# KiCad board Nova CPU Tester LED BUffers.kicad_pcb (continued)
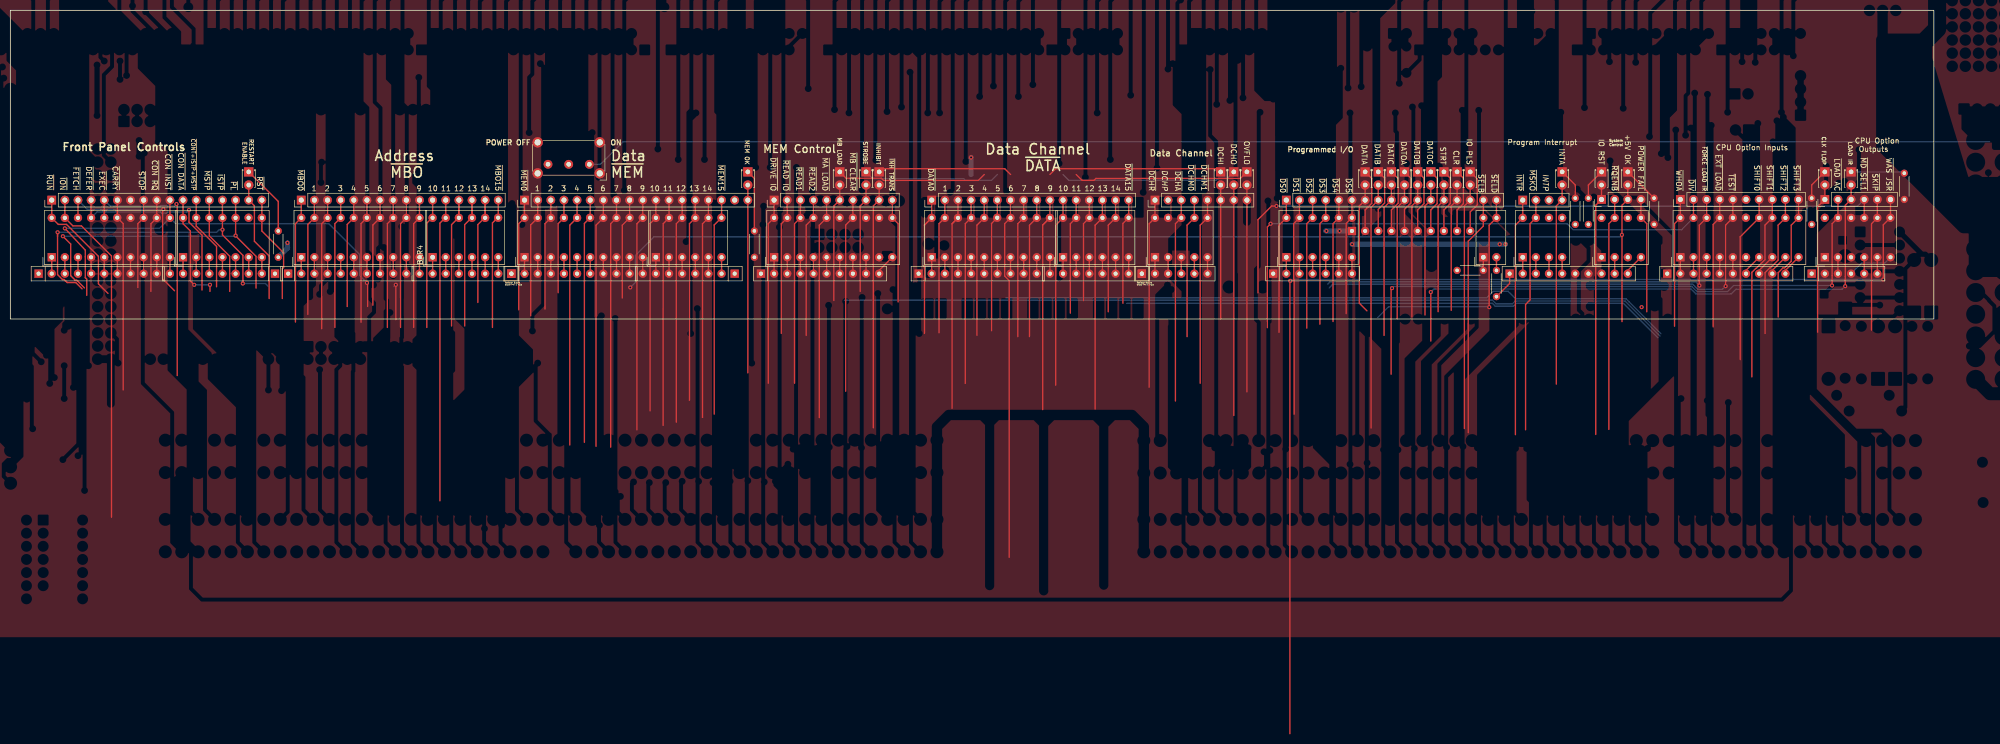
[diagram p0: board, top side]
## Nets (continued)
Net-(RN15-R7): BAR15.8 RN15.8
Net-(RN15-R8): BAR15.9 RN15.9
Net-(RN15-R9): BAR15.10 RN15.10
Net-(RN16-R2): BAR16.2 RN16.3
Net-(RN16-R3): BAR16.6 RN16.4
Net-(RN16-R4): BAR16.4 RN16.5
Net-(RN16-R5): BAR16.5 RN16.6

Pads without a net: BAR1 14; BAR2 15; BAR7 9 12 13 15; BAR11 19; BAR13 17 18; BAR14 1 3 18 20; BAR15 6 15; BAR16 1 3 18 20; J7 17; J9 7; J11 6; J12 2; J13 3; RN13 6 7 8; RN16 2

## Via types
v1: diameter 0.8, hole 0.4, Top to Bottom, 34 vias

## Routing (per net, layer and track width the routed paths; a pad name or vN(x,y) marks a point on that pad's centre or on a via; arc(x,y) is an arc through that point)
+5V: length 5.5
  Top w0.25: R9.1 289.94,6.86 RN13.1
  vias: v1(315.47,2.29)
+5V OK: length 225.9
  Top w0.25: 311.68,-0.51 311.68,16.24 v1(311.66,16.26) 311.68,16.27 311.68,21.99 312.8,23.11 D24.2
  Bottom w0.25: v1(311.66,16.26) 311.3,15.89 124.48,15.89 120.89,12.3 120.89,7.09 v1(119.89,6.1)
GND: length 41.7
  Bottom w0.25: 185.81,31.36 185.81,31.25 v1(185.8,31.24) 185.81,31.24
  Bottom w1: R7.1 53.59,13.72 v1(53.59,14.73) ; RN14.1 v1(257.05,17.02) v1(254.51,17.02) 254.38,17.02 ; 185.81,27.94 185.81,31.24 ; v1(289.13,14.45) v1(288.03,14.45) v1(259.48,14.45)
CLK FLOP: length 135
  Top w0.25: D28.2 J17.1 349.5,21.72 349.5,-2.54
  Bottom w0.25: 215.86,3.01 286.62,3.01 287.16,2.47 290.67,2.47 291.21,3.01 311.96,3.01 318.64,-3.67
CLR: length 24.7
  Top w0.25: 278.66,1.67 278.66,21.86 J10.14 D20.2
DATIA: length 25.4
  Top w0.25: D12.2 J10.7 260.88,21.86 260.88,3.05 262.35,1.58
DATIB: length 47.6
  Top w0.25: D16.2 J10.8 263.14,21.59 263.14,-21.08
DATIC: length 29.7
  Top w0.25: 265.67,-3.17 265.67,21.57 J10.9 D17.2
DATOA: length 26.5
  Top w0.25: D21.2 J10.10 268.21,21.57 268.21,0.02
DATOB: length 26
  Top w0.25: 271.04,0.4 271.04,21.86 J10.11 D22.2
DATOC: length 25.6
  Top w0.25: D18.2 J10.12 273.58,21.86 273.58,0.78
DCHI: length 25.9
  Top w0.25: D13.2 J12.6 234.06,0
DCHO: length 44.6
  Top w0.25: 236.6,-18.67 J12.7 D14.2
INHIBIT: length 47.4
  Top w0.25: D11.2 J18.9 166.9,21.86 166.9,-21.06
INTA: length 39
  Top w0.25: D25.2 J13.4 298.98,21.86 298.98,-12.59
IO PLS: length 47.6
  Top w0.25: 281.2,-21.19 281.2,21.86 J10.15 D23.2
IO RST: length 48.7
  Top w0.25: 306.6,-22.33 306.6,21.99 J14.1 D26.2
LOAD IR: length 110.9
  Top w0.25: D27.2 J17.3 354.86,21.99 354.86,6.37 v1(354.84,6.35) ; 274.7,-4.26 v1(274.7,5.21)
  Bottom w0.25: v1(354.84,6.35) 354.24,5.75 333.73,5.75 332.83,4.85 325.97,4.85 325.03,5.79 275.29,5.79 v1(274.7,5.21)
MB LOAD: length 22.8
  Top w0.25: D9.2 J18.6 159.25,21.84 159.25,3.56
MEM OK: length 36.3
  Top w0.25: D8.2 J7.18 142.62,-10.41
OVFLO: length 40
  Top w0.25: D15.2 J12.8 239.14,-14.1
Power SW: length 272.6
  Bottom w0.25: 382.78,34.29 118.49,34.29 114.11,29.91 SW2.1
RESTART ENABLE: length 23.6
  Top w0.25: D7.2 J9.16 47.2,21.89 47.2,15.03 50.06,12.17 50.06,3.95
STROBE: length 21
  Top w0.25: 164.36,5.33 164.36,21.86 J18.8 D10.2
STRT: length 25
  Top w0.25: 276.12,1.42 276.12,21.86 J10.13 D19.2
~{CARRY}: length 37.2
  Top w0.25: J9.6 20.7,19.6 BAR1.15 21.83,18.43 21.83,-13.72
~{CON DATA}: length 21.6
  Top w0.25: 38.61,5.33 v1(38.61,6.6) ; 33.4,22.99 BAR2.20 33.4,18.43 34.82,17.01 34.82,7.35 v1(35.56,6.6)
  Bottom w0.25: v1(38.61,6.6) v1(35.56,6.6)
~{CON INST}: length 89.5
  Top w0.25: 14.77,4.57 14.77,7.71 14.5,7.98 14.5,13.32 v1(10.54,17.53) ; 69.09,2.41 69.09,6.86 v1(68.96,6.98) ; J9.10 BAR1.11
  Bottom w0.25: v1(10.54,17.53) 28.83,17.53 BAR1.11 31.99,18.43 61.58,18.43 67.55,12.46 67.55,8.4 v1(68.96,6.98)
~{CON RQ}: length 18.1
  Top w0.25: 27.18,5.33 27.2,7.62 27.2,18.43 BAR1.12 J9.9
~{CONT+ISTP+MSTP}: length 18.4
  Top w0.25: J9.12 BAR2.19 35.94,17.97 39.88,14.04 39.88,6.22
~{DATA0}: length 28.4
  Top w0.25: BAR8.20 176.78,18.16 176.78,-2.79 ; BAR8.20 J8.1 ; BAR8.20 176.77,18.14
~{DATA1}: length 26.1
  Top w0.25: 179.6,-2.67 179.6,18.43 180.72,19.56 180.72,22.99
~{DATA2}: length 42.3
  Top w0.25: BAR8.18 182.14,18.43 ; BAR8.18 J8.3 ; BAR8.18 182.12,18.42 182.12,-17.27
~{DATA3}: length 35.9
  Top w0.25: 184.68,-12.46 184.68,18.43 BAR8.17 J8.4
~{DATA4}: length 26.7
  Top w0.25: 186.93,-3.16 186.93,18.14 BAR8.16 J8.5
~{DATA5}: length 25.7
  Top w0.25: 189.76,-2.27 189.76,18.48 BAR8.15 190.88,19.6 190.88,22.99
~{DATA6}: length 69.9
  Top w0.25: 193.17,-46.1 193.17,7.43 192.3,8.3 192.3,18.43 BAR8.14 J8.7
~{DATA7}: length 26.9
  Top w0.25: 194.84,-3.41 194.84,18.43 BAR8.13 J8.8
~{DATA8}: length 27
  Top w0.25: 198.5,22.99 198.5,19.56 197.09,18.14 197.09,-3.41
~{DATA9}: length 43.1
  Top w0.25: 201.04,22.99 201.04,19.56 ; 201.04,19.56 199.64,18.16 199.64,-17.53 ; 201.04,19.56 199.63,18.14
~{DATA10}: length 36.4
  Top w0.25: J8.11 BAR9.20 202.17,18.14 202.17,-12.81
~{DATA11}: length 22.3
  Top w0.25: J8.12 BAR9.19 205,18.43 205,1.14
~{DATA12}: length 19.9
  Top w0.25: 208.66,22.99 BAR9.18 207.54,18.43 207.54,3.56
~{DATA13}: length 41
  Top w0.25: J8.14 BAR9.17 209.79,18.14 209.79,-17.4
~{DATA14}: length 22.2
  Top w0.25: 212.33,1.4 212.33,18.14 BAR9.16 J8.15
~{DATA15}: length 20.4
  Top w0.25: J8.16 216.28,19.6 BAR9.15 215.16,18.48 215.16,3.05
~{DCHA}: length 39.3
  Top w0.25: J12.3 BAR11.18 225.32,18.43 225.32,-15.86
~{DCHM0}: length 27
  Top w0.25: J12.4 BAR11.17 227.57,18.14 227.57,-3.41
~{DCHM1}: length 36
  Top w0.25: J12.5 BAR11.16 230.11,18.14 230.11,-12.43
~{DCHR}: length 36.6
  Top w0.25: 220.24,-13.19 220.24,18.43 BAR11.20 J12.1
~{DEFER}: length 39.7
  Top w0.25: 15.62,22.99 15.62,19.56 ; 37.07,5.61 37.07,16.21 34.54,18.73 v1(34.54,21.08)
  Bottom w0.25: 15.62,19.56 16.77,20.7 29.07,20.7 29.29,20.48 30.2,20.48 30.4,20.68 34.15,20.68 v1(34.54,21.08)
~{DIV}: length 107.1
  Top w0.25: J11.2 BAR15.19 ; v1(243.71,18.42) 243.1,17.8 243.1,-1.68
  Bottom w0.25: BAR15.19 323.21,17.26 302.22,17.26 301.06,18.42 v1(243.71,18.42)
~{DRIVE IO}: length 35.9
  Top w0.25: 146.58,-12.43 146.58,18.43 BAR7.20 J18.1
~{DS0}: length 26.2
  Top w0.25: J10.1 BAR10.20 245.35,18.14 245.35,-2.6
~{DS1}: length 41.9
  Top w0.25: J10.2 BAR10.19 248.18,18.43 248.18,7.74 248.28,7.63 248.28,-18.42
~{DS2}: length 25.2
  Top w0.25: J10.3 BAR10.18 250.72,18.43 250.72,-1.76
~{DS3}: length 24.5
  Top w0.25: 253.26,-1 253.26,18.43 BAR10.17 J10.4
~{DS4}: length 23.9
  Top w0.25: J10.5 BAR10.16 255.8,18.43 255.8,-0.49
~{DS5}: length 22.4
  Top w0.25: 258.34,1.02 258.34,18.48 BAR10.15 259.46,19.6 J10.6
~{EXEC}: length 51.4
  Top w0.25: v1(32.13,22.22) 32.28,22.08 32.28,-10.94 ; 18.16,22.99 18.16,19.56
  Bottom w0.25: 18.16,22.99 19.34,21.81 29.05,21.81 29.17,21.93 30.25,21.93 30.37,21.81 31.72,21.81 v1(32.13,22.22)
~{EXT LOAD}: length 25.2
  Top w0.25: J11.4 BAR15.17 329.31,18.29 329.31,-1.52
~{FETCH}: length 37.4
  Top w0.25: 31.75,5.46 29.45,7.77 29.45,21.06 v1(29.59,21.21) ; 13.08,22.99 13.08,19.56
  Bottom w0.25: v1(29.59,21.21) 14.86,21.21 13.08,22.99
~{FORCE LOAD IR}: length 89.6
  Top w0.25: v1(326.64,6.48) 326.63,6.5 326.63,18.14 BAR15.18 J11.3
  Bottom w0.25: v1(326.64,6.48) 325.93,7.19 255.22,7.19 254.76,6.73
~{INH TRANS}: length 20.2
  Top w0.25: 171.69,3.3 171.69,18.43 BAR7.11 J18.10
~{INTR}: length 45.9
  Top w0.25: 291.07,-22.37 291.07,18.14 BAR13.20 J13.1
~{ION}: length 66
  Top w0.25: 19.56,-38.35 19.56,12.19 13.75,18 12.1,18 BAR1.19 J9.2
~{ISTP}: length 76.8
  Top w0.25: 9.13,16 9.13,16.4 ; 9.13,16 9.13,8.59 10.08,7.64 10.4,7.64 10.99,7.04 12.65,7.04 13.87,5.82 ; 9.13,16 v1(9.14,16.76) 9.13,16.75 ; J9.14 BAR2.17 v1(41.02,17.27) 41.02,16.26 44.98,12.3 44.98,6.88 v1(44.96,6.86) 44.98,6.84 ; 74.55,-0.13 v1(74.55,6.6)
  Bottom w0.25: 74.21,6.26 v1(74.55,6.6) ; v1(44.96,6.86) 49.31,6.86 49.91,6.26 ; v1(9.14,16.76) 39.88,16.76 40.39,17.27 v1(41.02,17.27)
~{LOAD AC}: length 119.9
  Top w0.25: 267.03,-10.67 267.03,5.79 v1(267.21,5.97) ; J17.2 BAR16.19 352.32,18.43 352.32,6.5 v1(352.3,6.48)
  Bottom w0.25: v1(267.21,5.97) 267.53,6.29 325.17,6.29 326.16,5.3 332.08,5.3 333.25,6.48 v1(352.3,6.48)
~{MA LOAD}: length 42.6
  Top w0.25: 156.45,-19.07 156.45,18.14 BAR7.16 J18.5
~{MB CLEAR}: length 37.5
  Top w0.25: 161.54,-13.97 161.54,18.16 BAR7.14 J18.7
~{MBO0}: length 24
  Top w0.25: 55.14,-0.59 55.14,18.43 BAR3.20 J6.1
~{MBO1}: length 22.6
  Top w0.25: J6.2 BAR3.19 57.53,18.29 57.53,0.89
~{MBO2}: length 25.3
  Top w0.25: 60.22,-1.89 60.22,18.43 BAR3.18 J6.3
~{MBO3}: length 25.1
  Top w0.25: 62.76,-1.64 62.76,18.43 BAR3.17 J6.4
~{MBO4}: length 21.1
  Top w0.25: J6.5 BAR3.16 65.15,18.29 65.15,2.41
~{MBO5}: length 24.1
  Top w0.25: J6.6 68.96,19.6 ; 67.82,-0.64 67.82,18.46 BAR3.15
~{MBO6}: length 20.9
  Top w0.25: J6.7 BAR3.14 70.1,18.16 70.1,2.67
~{MBO7}: length 25.1
  Top w0.25: J6.8 BAR3.13 72.92,18.43 72.92,-1.64
~{MBO8}: length 25.1
  Top w0.25: 75.46,-1.64 75.46,18.43 BAR3.12 J6.9
~{MBO9}: length 25.1
  Top w0.25: J6.10 BAR3.11 78,18.43 78,-1.64
~{MBO10}: length 25.1
  Top w0.25: J6.11 81.66,19.67 80.54,18.54 80.54,-1.64
~{MBO11}: length 58.6
  Top w0.25: 83.08,-35.16 83.08,18.54 84.2,19.67 J6.12
~{MBO12}: length 28.4
  Top w0.25: BAR4.18 J6.13 86.74,19.67 85.33,18.25 85.33,-1.35
~{MBO13}: length 28.4
  Top w0.25: 89.28,19.56 J6.14 89.28,19.67 87.87,18.25 87.87,-1.35
~{MBO14}: length 23.8
  Top w0.25: 90.41,3.2 90.41,18.25 91.82,19.67 J6.15 BAR4.16
~{MBO15}: length 26.1
  Top w0.25: 93.65,19 93.24,18.58 93.24,-1.64 ; 93.65,19 94.34,19.69 ; 93.65,19 94.23,19.58 BAR4.15 94.36,19.6 J6.16
~{MD SEL1}: length 136.6
  Top w0.25: v1(244.86,21.84) 243.92,21.84 241.28,19.2 241.28,5.05 ; J17.4 BAR16.17
  Bottom w0.25: J17.4 357.22,21.81 244.89,21.81 v1(244.86,21.84) 244.82,21.81
~{MEM0}: length 21.7
  Top w0.25: J7.1 BAR5.20 98.32,18.43 98.32,1.78
~{MEM1}: length 22.9
  Top w0.25: J7.2 BAR5.19 100.63,18.21 100.63,0.61
~{MEM2}: length 21.5
  Top w0.25: J7.3 BAR5.18 103.4,18.43 103.4,1.91
~{MEM3}: length 18.4
  Top w0.25: J7.4 BAR5.17 105.94,18.43 105.94,5.08
~{MEM4}: length 47.9
  Top w0.25: J7.5 BAR5.16 108.19,18.14 108.19,-24.37
~{MEM5}: length 47.3
  Top w0.25: J7.6 112.14,19.6 BAR5.15 111.02,18.48 111.02,-23.86
~{MEM6}: length 48.2
  Top w0.25: J7.7 BAR5.14 113.27,18.14 113.27,-24.62
~{MEM7}: length 48.2
  Top w0.25: 116.1,-24.78 116.1,18.43 BAR5.13 J7.8
~{MEM8}: length 19.5
  Top w0.25: J7.9 BAR5.12 118.35,18.14 118.35,4.06
~{MEM9}: length 44.9
  Top w0.25: 121.18,-21.45 121.18,18.43 BAR5.11 J7.10
~{MEM10}: length 41.2
  Top w0.25: J7.11 BAR6.20 123.72,18.43 123.72,-17.76
~{MEM11}: length 44
  Top w0.25: 126.24,-20.57 126.26,18.43 127.38,19.56 J7.12
~{MEM12}: length 43.4
  Top w0.25: J7.13 BAR6.18 128.8,18.43 128.8,-19.96
~{MEM13}: length 39.2
  Top w0.25: 131.34,-15.73 131.34,18.43 BAR6.17 J7.14
~{MEM14}: length 42.5
  Top w0.25: J7.15 135,19.56 133.86,18.42 133.86,-19.05
~{MEM15}: length 42
  Top w0.25: J7.16 137.54,19.6 BAR6.15 136.13,18.19 136.13,-18.4
~{MSKO}: length 45.2
  Top w0.25: 293.03,-21.43 293.03,2.81 293.9,3.68 293.9,18.43 BAR13.19 J13.2
~{MSTP}: length 19.3
  Top w0.25: J9.13 BAR2.18 38.48,16.07 42.42,12.13 42.42,5.33
~{PL}: length 64
  Top w0.25: v1(10.16,16) 11.67,14.5 11.67,8.38 12.55,7.49 12.84,7.49 14.32,6.01 ; J9.15 BAR2.16 v1(43.56,16.13) 43.56,16.07 47.52,12.11 47.52,5.99
  Bottom w0.25: v1(43.56,16.13) 43.43,16 v1(10.16,16)
~{POWER FAIL}: length 22.2
  Top w0.25: J14.4 BAR14.17 316.47,18.43 316.47,1.4
~{READ1}: length 35.9
  Top w0.25: 151.66,-12.43 151.66,18.43 BAR7.18 J18.3
~{READ2}: length 26.8
  Top w0.25: J18.4 BAR7.17 153.91,18.14 153.91,-3.19
~{READ IO}: length 26.3
  Top w0.25: J18.2 BAR7.19 149.1,18.42 149.1,-2.79
~{RQENB}: length 44.9
  Top w0.25: J14.2 BAR14.19 309.14,18.43 309.14,-21.35
~{RST}: length 20.9
  Top w0.25: 52.6,3.95 52.6,9.71 52.84,9.95 52.84,12.82 48.64,17.02 BAR2.14 J9.17
~{RUN}: length 23.5
  Top w0.25: 18.88,4.95 17.04,6.8 17.04,12.11 10.86,18.29 9.27,18.29 BAR1.20 J9.1
~{SELB}: length 46.2
  Top w0.25: 281.94,-21.97 281.94,15.05 284.86,17.97 BAR12.20 J10.16
~{SELD}: length 43.6
  Top w0.25: 285.99,2.3 285.99,18.14 BAR12.19 J10.17
  Bottom w0.25: 285.88,2.29 285.79,2.38 266.54,2.38 264.41,0.25
  vias: v1(286,2.29)
~{SHIFT0}: length 32.5
  Top w0.25: 334.54,-7.86 334.54,15.89 BAR15.14 J11.7
~{SHIFT1}: length 36
  Top w0.25: 336.79,-11.19 336.79,9.02 337.55,9.78 337.63,9.78 339.33,11.47 339.33,18.14 BAR15.13 J11.8
~{SHIFT2}: length 27.6
  Top w0.25: 339.34,-2.79 339.34,8.96 340.28,9.89 340.36,9.89 341.87,11.39 341.87,18.14 BAR15.12 J11.9
~{SHIFT3}: length 24.6
  Top w0.25: 341.88,0.38 341.88,8.96 342.82,9.89 343.13,9.89 344.41,11.16 344.41,18.14 BAR15.11 J11.10
~{SKIP}: length 186.8
  Top w0.25: 359.94,-2.16 359.94,18.43 BAR16.16 J17.5
  Bottom w0.25: 161.29,3.64 286.63,3.64 287.35,2.92 290.48,2.92 291.02,3.46 312.26,3.46 319.01,-3.29
~{STOP}: length 17.4
  Top w0.25: J9.8 BAR1.13 24.66,18.43 24.66,6.08
~{TEST}: length 95
  Top w0.25: J11.5 BAR15.16 331.71,18.14 331.71,6.37 v1(331.72,6.35)
  Bottom w0.25: v1(331.72,6.35) 331.13,5.75 326.34,5.75 325.36,6.74 255.78,6.74 255.65,6.6 255.65,6.59 255.06,6.01
~{WAS JSR}: length 218.5
  Top w0.25: v1(362.2,7.62) 362.2,18.21 BAR16.15 363.6,19.6 J17.6 ; 247.45,-80.2 247.45,7.29 v1(247.52,7.37)
  Bottom w0.25: v1(362.2,7.62) 362.19,7.64 247.79,7.64 v1(247.52,7.37)
~{WHOA}: length 155.6
  Top w0.25: 321.84,-1.4 321.84,18.43 BAR15.20 J11.1
  Bottom w0.25: 319.2,-2.84 312.45,3.91 291.08,3.91 289.65,5.34 286.78,5.34 285.52,4.09 192.53,4.09
Net-(BAR12-Pad1): length 2.5
  Top w0.25: BAR12.1 284.86,9.4
Net-(BAR12-Pad2): length 2.5
  Top w0.25: BAR12.2 R9.2
Net-(D7-K): length 13.8
  Top w0.25: R7.2 51.82,22.73 D7.1
Net-(D8-K): length 12
  Top w0.25: D8.1 143.89,27.18 R8.2
Net-(D9-K): length 29.1
  Top w0.25: 188.35,27.94 187.2,26.8 168.86,26.8 168.44,27.22 161.63,27.22 D9.1
Net-(D10-K): length 26.5
  Bottom w0.25: D10.1 166.8,27.13 184.36,27.13 184.68,26.81 189.76,26.81 190.89,27.94
Net-(D11-K): length 26.1
  Top w0.25: 193.43,27.94 192.3,29.06 168.64,29.06 D11.1
Net-(D12-K): length 12.5
  Top w0.25: D12.1 263.27,27.18 263.27,22.35 262,21.08 RN14.2
Net-(D13-K): length 33.7
  Top w0.25: D13.1 233.44,29.06 202.17,29.06 201.05,27.94
Net-(D14-K): length 34.2
  Bottom w0.25: D14.1 235.33,27.18 233.6,27.18 233.24,26.81 204.71,26.81 203.59,27.94
Net-(D15-K): length 34.2
  Top w0.25: D15.1 237.87,27.18 209.94,27.18 209.57,26.81 207.26,26.81 206.13,27.94
Net-(D16-K): length 12.4
  Top w0.25: RN14.3 264.54,21.21 265.77,22.43 265.77,27.22 D16.1
Net-(D17-K): length 12.5
  Top w0.25: RN14.4 267.08,21.08 268.4,22.4 268.4,27.13 D17.1
Net-(D18-K): length 12.4
  Top w0.25: D18.1 275.93,27.22 275.93,22.31 274.7,21.08 RN14.7
Net-(D19-K): length 12.4
  Top w0.25: D19.1 278.47,27.22 278.47,22.31 277.24,21.08 RN14.8
Net-(D20-K): length 12.4
  Top w0.25: RN14.9 279.78,21.08 281.01,22.31 281.01,27.22 D20.1
Net-(D21-K): length 12.4
  Top w0.25: D21.1 270.85,27.22 270.85,22.43 269.62,21.21 RN14.5
Net-(D22-K): length 12.4
  Top w0.25: D22.1 273.39,27.22 273.39,22.31 272.16,21.08 RN14.6
Net-(D23-K): length 12.6
  Top w0.25: RN14.10 282.32,20.7 283.69,22.07 283.69,27.08 D23.1
Net-(D24-K): length 7.2
  Top w0.25: D24.1 R14.2
Net-(D25-K): length 6.1
  Top w0.25: R11.2 302.64,25.91 D25.1
Net-(D26-K): length 6.1
  Top w0.25: R12.2 305.18,25.91 D26.1
Net-(D27-K): length 10.4
  Bottom w0.25: R13.2 366.01,28.45 D27.1
Net-(D28-K): length 6.1
  Top w0.25: D28.1 348.36,25.91 R15.2
Net-(RN1-R1): length 3.2
  Top w0.25: BAR1.1 RN1.2
Net-(RN1-R2): length 3.2
  Top w0.25: BAR1.2 RN1.3
Net-(RN1-R3): length 3.2
  Top w0.25: 13.08,11.94 13.08,8.76
Net-(RN1-R4): length 3.2
  Top w0.25: 15.62,11.94 RN1.5
Net-(RN1-R5): length 3.2
  Top w0.25: 18.16,11.94 18.16,8.76
Net-(RN1-R6): length 3.2
  Top w0.25: BAR1.6 RN1.7
Net-(RN1-R7): length 3.2
  Top w0.25: 23.24,11.94 23.24,8.76
Net-(RN1-R8): length 3.2
  Top w0.25: BAR1.8 RN1.9
Net-(RN1-R9): length 3.2
  Top w0.25: BAR1.9 RN1.10
Net-(RN2-R1): length 3.2
  Top w0.25: BAR2.7 RN2.2
Net-(RN2-R2): length 3.2
  Top w0.25: BAR2.6 RN2.3
Net-(RN2-R3): length 3.2
  Top w0.25: BAR2.5 RN2.4
Net-(RN2-R4): length 3.2
  Top w0.25: BAR2.4 RN2.5
Net-(RN2-R5): length 3.2
  Top w0.25: BAR2.3 RN2.6
Net-(RN2-R6): length 3.2
  Top w0.25: BAR2.2 RN2.7
Net-(RN2-R7): length 3.2
  Top w0.25: BAR2.1 RN2.8
Net-(RN2-R8): length 3.2
  Top w0.25: BAR1.10 RN2.9
Net-(RN3-R1): length 3.2
  Top w0.25: BAR3.1 RN3.2
Net-(RN3-R2): length 3.2
  Top w0.25: BAR3.2 RN3.3
Net-(RN3-R3): length 3.2
  Top w0.25: BAR3.3 RN3.4
Net-(RN3-R4): length 3.2
  Top w0.25: BAR3.4 RN3.5
Net-(RN3-R5): length 3.2
  Top w0.25: BAR3.5 RN3.6
Net-(RN3-R6): length 3.2
  Top w0.25: BAR3.6 68.96,8.76
Net-(RN3-R7): length 3.2
  Top w0.25: BAR3.7 RN3.8
Net-(RN3-R8): length 3.2
  Top w0.25: BAR3.8 RN3.9
Net-(RN3-R9): length 3.2
  Top w0.25: BAR3.9 RN3.10
Net-(RN4-R1): length 3.2
  Top w0.25: BAR4.6 RN4.2
Net-(RN4-R2): length 3.3
  Top w0.25: 91.82,12.05 91.82,8.76
Net-(RN4-R3): length 3.3
  Top w0.25: 89.28,12.05 89.28,8.76
Net-(RN4-R4): length 3.3
  Top w0.25: 86.74,12.05 RN4.5
Net-(RN4-R5): length 3.3
  Top w0.25: 84.2,12.05 RN4.6
Net-(RN4-R6): length 3.3
  Top w0.25: 81.66,12.05 RN4.7
Net-(RN4-R7): length 3.2
  Top w0.25: BAR3.10 79.12,8.76
Net-(RN5-R1): length 3.2
  Top w0.25: BAR5.1 99.44,8.76
Net-(RN5-R2): length 3.2
  Top w0.25: BAR5.2 RN5.3
Net-(RN5-R3): length 3.2
  Top w0.25: BAR5.3 RN5.4
Net-(RN5-R4): length 3.2
  Top w0.25: BAR5.4 RN5.5
Net-(RN5-R5): length 3.2
  Top w0.25: BAR5.5 109.6,8.76
Net-(RN5-R6): length 3.2
  Top w0.25: BAR5.6 RN5.7
Net-(RN5-R7): length 3.2
  Top w0.25: BAR5.7 RN5.8
Net-(RN5-R8): length 3.2
  Top w0.25: BAR5.8 117.22,8.76
Net-(RN5-R9): length 3.2
  Top w0.25: BAR5.9 RN5.10
Net-(RN6-R1): length 3.2
  Top w0.25: 137.54,11.94 RN6.2
Net-(RN6-R2): length 3.2
  Top w0.25: 135,11.94 135,8.76
Net-(RN6-R3): length 3.2
  Top w0.25: BAR6.4 RN6.4
Net-(RN6-R4): length 3.2
  Top w0.25: BAR6.3 RN6.5
Net-(RN6-R5): length 3.2
  Top w0.25: 127.38,11.94 RN6.6
Net-(RN6-R6): length 3.2
  Top w0.25: BAR6.1 RN6.7
Net-(RN6-R7): length 3.2
  Top w0.25: BAR5.10 RN6.8
Net-(RN7-R1): length 3.2
  Top w0.25: BAR7.1 RN7.2
Net-(RN7-R2): length 3.2
  Top w0.25: BAR7.2 RN7.3
Net-(RN7-R3): length 3.2
  Top w0.25: BAR7.3 RN7.4
Net-(RN7-R4): length 3.2
  Top w0.25: BAR7.4 RN7.5
Net-(RN7-R5): length 3.2
  Top w0.25: BAR7.5 RN7.6
Net-(RN7-R6): length 3.2
  Top w0.25: BAR7.6 RN7.7
Net-(RN7-R7): length 3.2
  Top w0.25: BAR7.7 RN7.8
Net-(RN7-R8): length 3.2
  Top w0.25: BAR7.8 RN7.9
Net-(RN7-R9): length 4.2
  Top w0.25: BAR7.10 168.02,9.4 RN7.10
Net-(RN8-R1): length 3.2
  Top w0.25: BAR8.1 RN8.2
Net-(RN8-R2): length 3.2
  Top w0.25: 180.72,11.94 RN8.3
Net-(RN8-R3): length 3.2
  Top w0.25: BAR8.3 RN8.4
Net-(RN8-R4): length 3.2
  Top w0.25: BAR8.4 RN8.5
Net-(RN8-R5): length 3.2
  Top w0.25: BAR8.5 RN8.6
Net-(RN8-R6): length 3.2
  Top w0.25: 190.88,11.94 RN8.7
Net-(RN8-R7): length 3.2
  Top w0.25: BAR8.7 RN8.8
Net-(RN8-R8): length 3.2
  Top w0.25: BAR8.8 RN8.9
Net-(RN8-R9): length 3.2
  Top w0.25: 198.5,11.94 RN8.10
Net-(RN9-R1): length 3.2
  Top w0.25: BAR9.6 RN9.2
Net-(RN9-R2): length 3.2
  Top w0.25: BAR9.5 RN9.3
Net-(RN9-R3): length 3.2
  Top w0.25: BAR9.4 RN9.4
Net-(RN9-R4): length 3.2
  Top w0.25: BAR9.3 RN9.5
Net-(RN9-R5): length 3.2
  Top w0.25: BAR9.2 RN9.6
Net-(RN9-R6): length 3.2
  Top w0.25: BAR9.1 RN9.7
Net-(RN9-R7): length 3.2
  Top w0.25: 201.04,11.94 RN9.8
Net-(RN10-R1): length 3.2
  Top w0.25: BAR11.1 RN10.2
Net-(RN10-R2): length 3.2
  Top w0.25: BAR11.2 RN10.3
Net-(RN10-R3): length 3.2
  Top w0.25: BAR11.3 RN10.4
Net-(RN10-R4): length 3.2
  Top w0.25: BAR11.4 RN10.5
Net-(RN10-R5): length 3.2
  Top w0.25: BAR11.5 RN10.6
Net-(RN12-R1): length 3.2
  Top w0.25: BAR10.1 RN12.2
Net-(RN12-R2): length 3.2
  Top w0.25: BAR10.2 249.3,8.76
Net-(RN12-R3): length 3.2
  Top w0.25: BAR10.3 RN12.4
Net-(RN12-R4): length 3.2
  Top w0.25: BAR10.4 RN12.5
Net-(RN12-R5): length 3.2
  Top w0.25: BAR10.5 RN12.6
Net-(RN12-R6): length 3.2
  Top w0.25: BAR10.6 RN12.7
Net-(RN13-R1): length 3.2
  Top w0.25: BAR13.1 RN13.2
Net-(RN13-R2): length 3.2
  Top w0.25: BAR13.2 RN13.3
Net-(RN13-R3): length 3.2
  Top w0.25: 297.56,11.94 RN13.4
Net-(RN13-R4): length 3.2
  Top w0.25: BAR13.4 RN13.5
Net-(RN13-R8): length 3.2
  Top w0.25: BAR14.2 RN13.9
Net-(RN13-R9): length 4.2
  Top w0.25: BAR14.4 312.8,9.4 RN13.10
Net-(RN15-R1): length 3.2
  Top w0.25: BAR15.1 RN15.2
Net-(RN15-R2): length 3.2
  Top w0.25: BAR15.2 RN15.3
Net-(RN15-R3): length 3.2
  Top w0.25: BAR15.3 RN15.4
Net-(RN15-R4): length 3.2
  Top w0.25: BAR15.4 RN15.5
Net-(RN15-R5): length 3.2
  Top w0.25: BAR15.5 RN15.6
Net-(RN15-R6): length 4.2
  Top w0.25: RN15.7 335.66,9.4 BAR15.7
Net-(RN15-R7): length 4.2
  Top w0.25: RN15.8 338.2,9.4 BAR15.8
Net-(RN15-R8): length 4.2
  Top w0.25: RN15.9 340.74,9.4 BAR15.9
Net-(RN15-R9): length 4.2
  Top w0.25: RN15.10 343.28,9.4 BAR15.10
Net-(RN16-R2): length 3.2
  Top w0.25: BAR16.2 RN16.3
Net-(RN16-R3): length 8.9
  Bottom w0.25: BAR16.6 362.48,10.81 358.03,10.81 RN16.4
Net-(RN16-R4): length 3.2
  Top w0.25: BAR16.4 RN16.5
Net-(RN16-R5): length 3.2
  Top w0.25: BAR16.5 RN16.6

## Copper pours and planes (outline as drawn; the poured copper is in the pictures)
+5V on Bottom: -28.32,85.32 -28.32,-86.77 411.73,-88.16 408.94,84.18
GND on Top: -28.32,85.32 -28.32,-86.77 411.86,-88.29 408.94,84.18

## Text on the board
B.Silkscreen: Resistor Blocks / Share Pin 1 Hole
F.Silkscreen: Resistor Blocks / Share Pin 1 Hole | System / Control | ~{CONT+ISTP+MSTP} | ~{FORCE LOAD IR} | CLK FLOP | LOAD IR | RESTART / ENABLE | MEM OK | MB LOAD | STROBE | INHIBIT | ~{INH TRANS} | 1 | 2 | 3 | 4 | 5 | 6 | 7 | 8 | 9 | 10 | 11 | 12 | 13 | 14 | CPU Option / Outputs | ~{RUN} | ~{ION} | ~{FETCH} | ~{DEFER} | ~{EXEC} | ~{CARRY} | ~{STOP} | ~{CON RQ} | ~{CON INST} | ~{CON DATA} | ~{MSTP} | ~{ISTP} | ~{PL} | ~{RST} | ~{MBO0} | ~{MBO15} | ~{MEM0} | ~{MEM15} | ~{DRIVE IO} | ~{READ IO} | ~{READ1} | ~{READ2} | ~{MA LOAD} | ~{MB CLEAR} | ~{DATA0} | ~{DATA15} | ~{DCHR} | ~{DCHA} | ~{DCHM0} | ~{DCHM1} | DCHI | DCHO | OVFLO | ~{DS0} | ~{DS1} | ~{DS2} | ~{DS3} | ~{DS4} | ~{DS5} | DATIA | DATIB | DATIC | DATOA | DATOB | DATOC | STRT | CLR | IO PLS | ~{SELB} | ~{SELD} | ~{INTR} | ~{MSKO} | INTA | IO RST | ~{RQENB} | +5V OK | ~{POWER FAIL} | ~{WHOA} | ~{DIV} | ~{EXT LOAD} | ~{TEST} | ~{SHIFT0} | ~{SHIFT1} | ~{SHIFT2} | ~{SHIFT3} | ~{LOAD AC} | ~{MD SEL1} | ~{SKIP} | ~{WAS JSR} | DCHP | INTP | POWER OFF | ON | Data Channel | MEM Control | Front Panel Controls | Address / ~{MBO} | Data / ~{MEM} | Data Channel / ~{DATA}
